# Altium PCB VCTS_mainboard_Photo.PcbDoc (part 1 of 4) (continued)
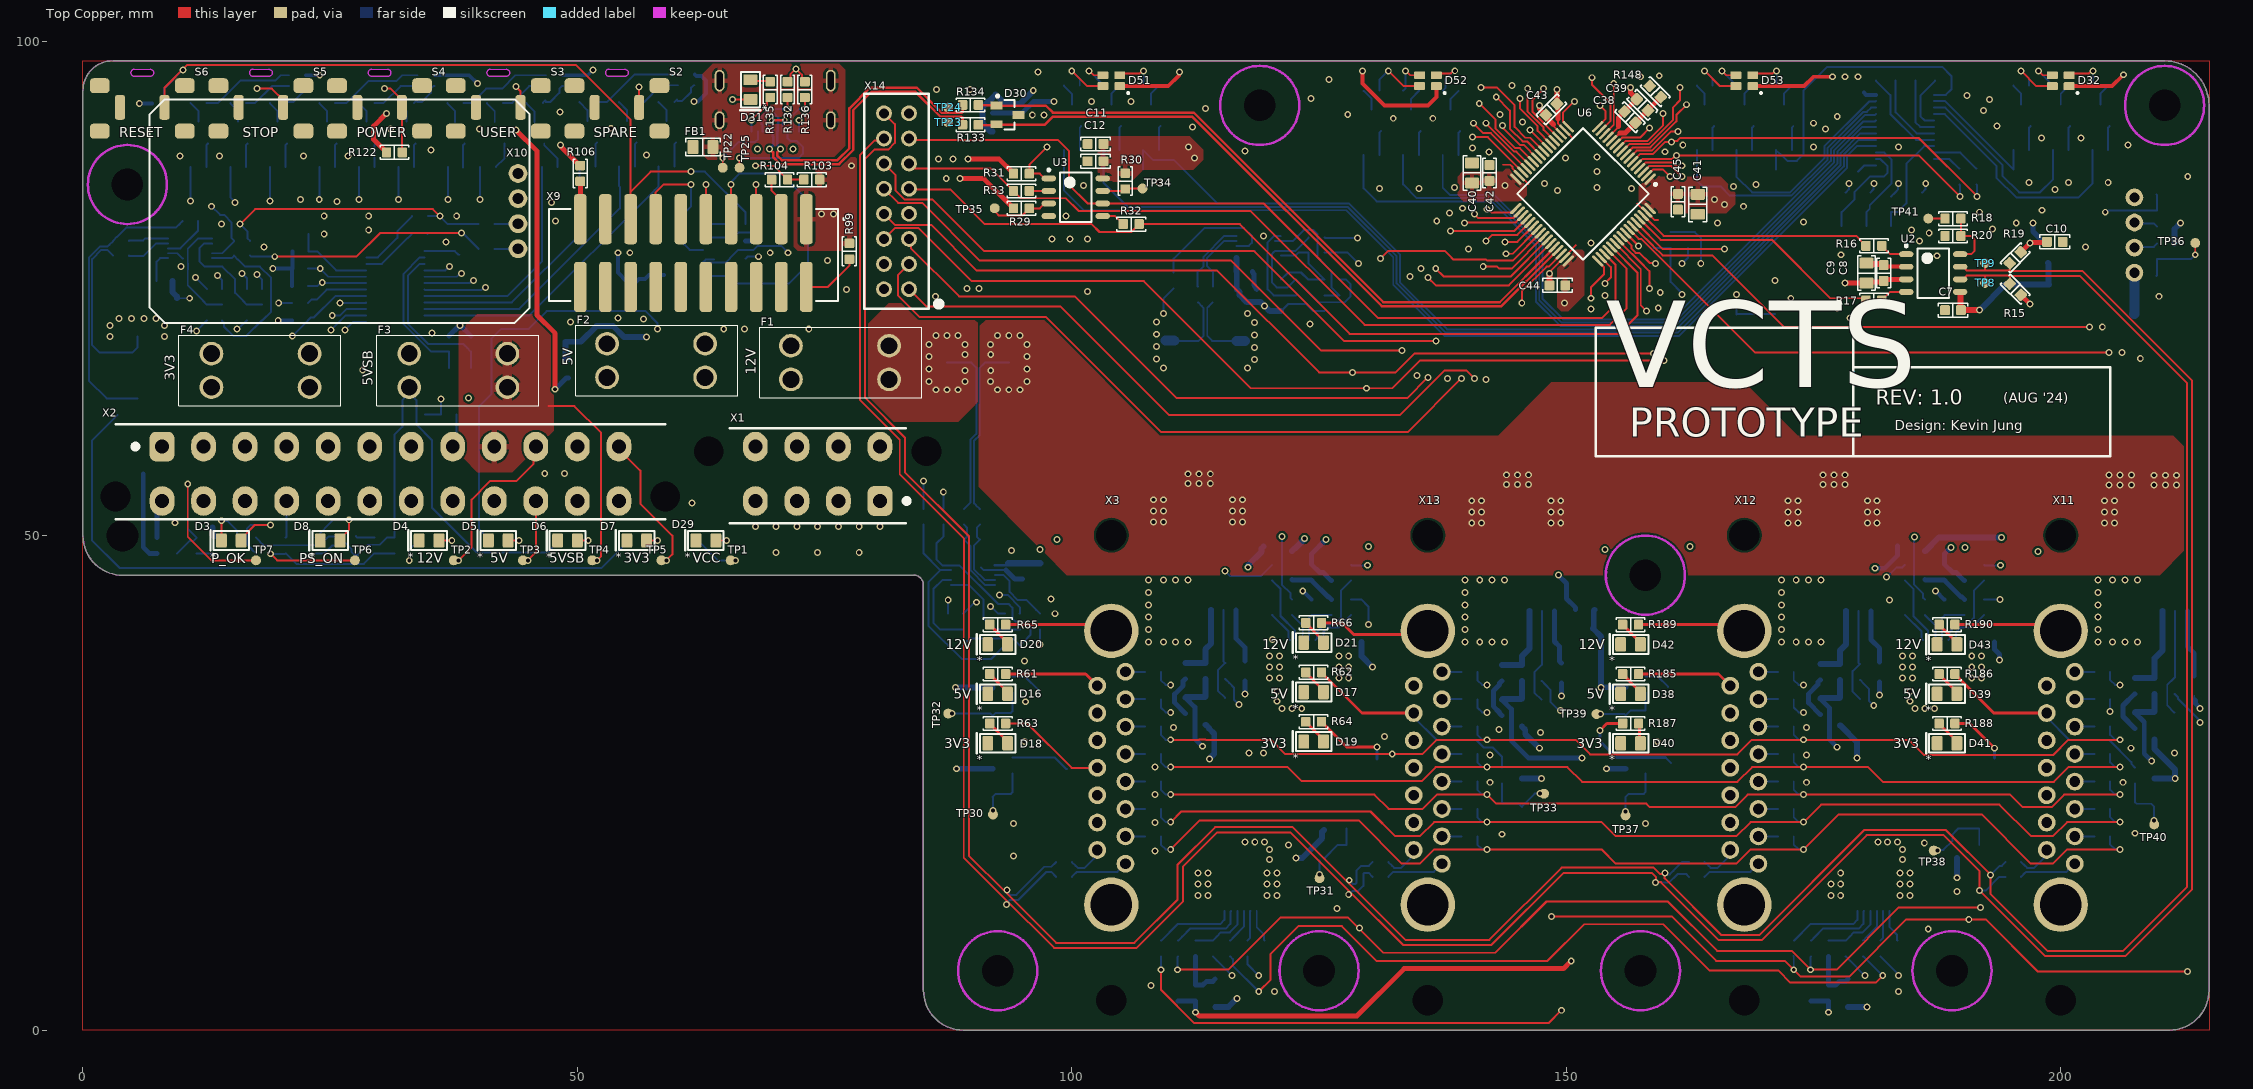
[diagram p0: Top Copper view]
## Components (designator, comment, footprint, x,y, rotation, side; value= is the part's Value field where it differs from the comment) (continued)
R38 "Resistor" 0603_RES 87.5,39.7 r270 bottom value=0 (schematic designator R78)
R39 "Resistor" 0603_RES 89,39.7 r270 bottom value=0 (schematic designator R79)
R40 "Resistor" 0603_RES 96.8,41.3 r270 bottom value=0 (schematic designator R80)
R41 "Resistor" 0603_RES 89.1,51.9 r90 bottom value=10 (schematic designator R81)
R42 "Resistor" 0603_RES 87.5,41.3 r270 bottom value=0 (schematic designator R82)
R43 "Resistor" 2512_RES 90.5,67.5 r180 bottom value=0.001 (schematic designator R83)
R44 "Resistor" 0603_RES 90.7,51.9 r90 bottom value=10 (schematic designator R84)
R45 "Resistor" 0603_RES 94.75,41.3 r90 bottom value=0 (schematic designator R85)
R46 "Resistor" 0603_RES 93.25,39.7 r270 bottom value=0 (schematic designator R86)
R47 "Resistor" 0603_RES 94.75,39.7 r270 bottom value=0 (schematic designator R87)
R48 "Resistor" 0603_RES 93.25,41.3 r270 bottom value=0 (schematic designator R88)
R49 "Resistor" 0603_RES 94,31.45 r270 bottom value=22k (schematic designator R101)
R50 "Resistor" 0603_RES 120.25,42.75 r90 bottom value=47 (schematic designator R102)
R51 "R(IN)" 0603_RES 120.25,46.25 r90 bottom value=4.7k (schematic designator R103)
R52 "Resistor" 0603_RES 94,34.95 r270 bottom value=18k (schematic designator R104)
R53 "Resistor" 0603_RES 122.25,42.75 r90 bottom value=4.7k (schematic designator R105)
R54 "Resistor" 0603_RES 124.25,46.25 r270 bottom value=4.7k (schematic designator R106)
R55 "Resistor" 0603_RES 126.25,42.75 r270 bottom value=4.7k (schematic designator R107)
R56 "Resistor" 0603_RES 128.25,46.25 r270 bottom value=4.7k (schematic designator R108)
R57 "Resistor" 0603_RES 124.25,42.75 r270 bottom value=3.79k (schematic designator R109)
R58 "Resistor" 0603_RES 128.25,42.75 r90 bottom value=4.7k (schematic designator R110)
R59 "Resistor" 0603_RES 143.5,25.75 r270 bottom value=18k (schematic designator R111)
R60 "Resistor" 0603_RES 143.5,22.25 r270 bottom value=22k (schematic designator R112)
R61 "Resistor" 0603_RES 92.5,36 r0 top value=560 (schematic designator R113)
R62 "Resistor" 0603_RES 124.45,36.175 r0 top value=560 (schematic designator R114)
R63 "Resistor" 0603_RES 92.5,31 r0 top value=220 (schematic designator R115)
R64 "Resistor" 0603_RES 124.45,31.175 r0 top value=220 (schematic designator R116)
R65 "Resistor" 0603_RES 92.5,41 r0 top value=2.2k (schematic designator R117)
R66 "Resistor" 0603_RES 124.45,41.175 r0 top value=2.2k (schematic designator R118)
R67 "Resistor" 0603_RES 94,23.25 r270 bottom value=22k (schematic designator R119)
R68 "Resistor" 0603_RES 119.5,8.25 r270 bottom value=47 (schematic designator R120)
R69 "R(IN)" 0603_RES 117.75,8.25 r270 bottom value=4.7k (schematic designator R121)
R70 "Resistor" 0603_RES 94,26.75 r270 bottom value=4.7k (schematic designator R122)
R71 "Resistor" 0603_RES 116,8.25 r270 bottom value=4.7k (schematic designator R123)
R72 "Resistor" 0603_RES 112.5,3.75 r90 bottom value=4.7k (schematic designator R124)
R73 "Resistor" 0603_RES 112.5,8.25 r90 bottom value=4.7k (schematic designator R125)
R74 "Resistor" 0603_RES 110.75,8.25 r90 bottom value=4.7k (schematic designator R126)
R75 "Resistor" 0603_RES 114.25,8.25 r90 bottom value=3.79k (schematic designator R127)
R76 "Resistor" 0603_RES 109,8.25 r270 bottom value=4.7k (schematic designator R128)
R77 "Resistor" 0603_RES 127.758,21.2 r270 bottom value=4.7k (schematic designator R129)
R78 "Resistor" 0603_RES 127.758,17.9 r270 bottom value=22k (schematic designator R130)
R79 "Resistor" 0603_RES 115.5,36.3 r90 bottom value=4.7k (schematic designator R131)
R80 "Resistor" 0603_RES 147.5,36.1 r90 bottom value=4.7k (schematic designator R132)
R81 "Resistor" 0603_RES 113.5,36.3 r90 bottom value=4.7k (schematic designator R133)
R82 "Resistor" 0603_RES 145.5,36.1 r90 bottom value=4.7k (schematic designator R134)
R83 "Resistor" 0603_RES 111.5,36.3 r90 bottom value=3.9k (schematic designator R135)
R84 "Resistor" 0603_RES 143.5,36.1 r90 bottom value=3.9k (schematic designator R136)
R85 "Resistor" 0805_RES 117.5,36.3 r90 bottom value=4 (schematic designator R137)
R86 "Resistor" 0805_RES 149.5,36.1 r90 bottom value=4 (schematic designator R138)
R87 "Resistor" 0603_RES 125.55,73.5 r270 bottom value=0 (schematic designator R89)
R88 "Resistor" 0603_RES 127.05,75.1 r90 bottom value=0 (schematic designator R90)
R89 "Resistor" 0603_RES 125.55,75.1 r90 bottom value=0 (schematic designator R91)
R90 "Resistor" 0603_RES 110.3,75.8 r270 bottom value=0 (schematic designator R92)
R91 "Resistor" 0603_RES 112.75,74.381 r270 bottom value=10 (schematic designator R93)
R92 "Resistor" 0603_RES 127.05,73.5 r90 bottom value=0 (schematic designator R94)
R93 "Resistor" 2512_RES 113.5,69.7 r180 bottom value=0.01 (schematic designator R95)
R94 "Resistor" 0603_RES 114.25,74.381 r270 bottom value=10 (schematic designator R96)
R95 "Resistor" 0603_RES 121.15,73.5 r270 bottom value=0 (schematic designator R97)
R96 "Resistor" 0603_RES 122.65,75.1 r90 bottom value=0 (schematic designator R98)
R97 "Resistor" 0603_RES 121.15,75.1 r90 bottom value=0 (schematic designator R99)
R98 "Resistor" 0603_RES 122.65,73.5 r90 bottom value=0 (schematic designator R100)
R99 "Resistor" 0603_RES 77.5,78.75 r270 top value=0 (schematic designator R15)
R100 "Resistor" 0603_RES 158.8,79.9 r90 bottom value=100k (schematic designator R16)
R101 "Resistor" 0603_RES 66.214,76.243 r0 bottom value=100k (schematic designator R17)
R102 "Resistor" 0603_RES 66.214,79.779 r0 bottom value=100k (schematic designator R18)
R103 "Resistor" 0603_RES 73.7,86 r0 top value=100k (schematic designator R19)
R104 "Resistor" 0603_RES 70.45,86 r180 top value=0 (schematic designator R20)
R105 "Resistor" 0603_RES 66.214,78.011 r180 bottom value=100k (schematic designator R21)
R106 "Resistor" 0603_RES 50.282,86.618 r270 top value=0 (schematic designator R22)
R107 "Resistor" 0603_RES 171.1,73.2 r270 bottom value=10k (schematic designator R23)
R108 "Resistor" 0603_RES 160.542,79.891 r90 bottom value=0 (schematic designator R24)
R109 "Resistor" 0603_RES 63,49.5 r180 bottom value=330 (schematic designator R27)
R110 "Resistor" 0603_RES 191.5,86.3 r90 bottom value=0 (schematic designator R28)
R111 "Resistor" 0603_RES 34.05,80.5 r180 bottom value=0 (schematic designator R29)
R112 "Resistor" 0603_RES 189.75,86.3 r90 bottom value=0 (schematic designator R30)
R113 "Resistor" 0603_RES 34.1,82.3 r180 bottom value=0 (schematic designator R31)
R114 "Resistor" 0603_RES 180.35,83.5 r90 bottom (schematic designator R32)
R115 "Resistor" 0603_RES 177.85,83.5 r90 bottom (schematic designator R33)
R116 "Resistor" 0603_RES 182.85,83.5 r90 bottom value=0 (schematic designator R34)
R117 "Resistor" 0603_RES 39.25,69.4 r90 bottom (schematic designator R35)
R118 "Resistor" 0603_RES 37,69.4 r90 bottom (schematic designator R36)
R119 "Resistor" 0603_RES 22,78.75 r180 bottom (schematic designator R37)
R120 "Resistor" 0603_RES 21.95,71.75 r180 bottom value=10k (schematic designator R38)
R121 "Resistor" 0603_RES 21.95,73.5 r0 bottom value=0 (schematic designator R39)
R122 "Resistor" 0603_RES 31.5,88.75 r180 top value=10k (schematic designator R40)
R123 "Resistor" 0603_RES 21.95,75.25 r180 bottom value=10k (schematic designator R41)
R124 "Resistor" 0603_RES 7.8,93.7 r180 bottom value=10k (schematic designator R42)
R125 "Resistor" 0603_RES 180.35,80.5 r90 bottom value=0 (schematic designator R43)
R126 "Resistor" 0603_RES 177.85,80.5 r90 bottom value=0 (schematic designator R44)
R127 "Resistor" 0603_RES 182.85,80.5 r90 bottom (schematic designator R45)
R128 "Resistor" 0603_RES 21.95,77 r180 bottom value=10k (schematic designator R46)
R129 "Resistor" 0603_RES 39.25,66.15 r90 bottom value=0 (schematic designator R47)
R130 "Resistor" 0603_RES 37,66.15 r90 bottom value=0 (schematic designator R48)
R131 "Resistor" 0603_RES 22,80.5 r0 bottom value=0 (schematic designator R49)
R132 "Resistor" 0603_RES 71.25,95.1 r270 top value=5.1k (schematic designator R50)
R133 "Resistor" 0603_RES 89.75,91.55 r180 top value=100 (schematic designator R51)
R134 "Resistor" 0603_RES 89.75,93.55 r180 top value=100 (schematic designator R52)
R135 "Resistor" 0603_RES 69.5,95.1 r270 top value=560 (schematic designator R53)
R136 "Resistor" 0603_RES 73,95.1 r90 top value=5.1k (schematic designator R54)
R137 "Resistor" 0603_RES 204,95.5 r0 bottom locked value=310 (schematic designator R139)
R138 "Resistor" 0603_RES 200,95.5 r0 bottom locked value=430 (schematic designator R140)
R139 "Resistor" 0603_RES 196,95.5 r180 bottom locked value=430 (schematic designator R141)
R140 "Resistor" 0603_RES 196,89 r0 bottom locked value=100 (schematic designator R142)
R141 "Resistor" 0603_RES 196,87 r180 bottom locked value=10k (schematic designator R143)
R142 "Resistor" 0603_RES 200,89 r0 bottom locked value=100 (schematic designator R144)
R143 "Resistor" 0603_RES 200,87 r180 bottom locked value=10k (schematic designator R145)
R144 "Resistor" 0603_RES 204,89 r0 bottom locked value=100 (schematic designator R146)
R145 "Resistor" 0603_RES 204,87 r180 bottom locked value=10k (schematic designator R147)
R146 "Resistor" 0603_RES 40.8,79 r0 bottom value=0 (schematic designator R25)
R147 "Resistor" 0603_RES 40.8,81.5 r0 bottom value=0 (schematic designator R26)
R148 "Resistor" 0603_RES 159,94.9 r315 top value=0 (schematic designator R1)
R149 "Resistor" 0603_RES 204.2,36.223 r180 bottom value=100 (schematic designator R64)
R150 "Resistor" 0603_RES 204.2,33.45 r0 bottom value=100 (schematic designator R65)
R151 "Resistor" 0603_RES 204.2,30.678 r180 bottom value=100 (schematic designator R66)
R152 "Resistor" 0603_RES 204.2,27.905 r180 bottom value=100 (schematic designator R67)
R153 "Resistor" 0603_RES 204.2,22.359 r180 bottom value=100 (schematic designator R68)
R154 "Resistor" 0603_RES 204.2,19.587 r180 bottom value=100 (schematic designator R69)
R155 "Resistor" 0603_RES 195.2,17 r0 bottom value=0 (schematic designator R70)
R156 "Resistor" 0603_RES 195.2,15.5 r0 bottom value=0 (schematic designator R71)
R157 "Resistor" 0603_RES 172.2,36.223 r180 bottom value=100 (schematic designator R64)
R158 "Resistor" 0603_RES 172.2,33.45 r0 bottom value=100 (schematic designator R65)
R159 "Resistor" 0603_RES 172.2,30.678 r180 bottom value=100 (schematic designator R66)
R160 "Resistor" 0603_RES 172.2,27.905 r180 bottom value=100 (schematic designator R67)
R161 "Resistor" 0603_RES 172.2,22.359 r180 bottom value=100 (schematic designator R68)
R162 "Resistor" 0603_RES 172.2,19.587 r180 bottom value=100 (schematic designator R69)
R163 "Resistor" 0603_RES 163.2,17 r0 bottom value=0 (schematic designator R70)
R164 "Resistor" 0603_RES 163.2,15.5 r0 bottom value=0 (schematic designator R71)
R165 "Resistor" 0603_RES 140.2,36.223 r180 bottom value=100 (schematic designator R64)
R166 "Resistor" 0603_RES 140.2,33.45 r0 bottom value=100 (schematic designator R65)
R167 "Resistor" 0603_RES 140.2,30.678 r180 bottom value=100 (schematic designator R66)
R168 "Resistor" 0603_RES 140.2,27.905 r180 bottom value=100 (schematic designator R67)
R169 "Resistor" 0603_RES 140.2,22.359 r180 bottom value=100 (schematic designator R68)
R170 "Resistor" 0603_RES 140.2,19.587 r180 bottom value=100 (schematic designator R69)
R171 "Resistor" 0603_RES 131.2,17 r0 bottom value=0 (schematic designator R70)
R172 "Resistor" 0603_RES 131.2,15.5 r0 bottom value=0 (schematic designator R71)
R173 "Resistor" 0603_RES 158.002,31.493 r270 bottom value=22k (schematic designator R101)
R174 "Resistor" 0603_RES 184.25,42.75 r90 bottom value=47 (schematic designator R102)
R175 "R(IN)" 0603_RES 184.25,46.25 r90 bottom value=4.7k (schematic designator R103)
R176 "Resistor" 0603_RES 158,34.95 r270 bottom value=18k (schematic designator R104)
R177 "Resistor" 0603_RES 186.25,42.75 r90 bottom value=4.7k (schematic designator R105)
R178 "Resistor" 0603_RES 188.25,46.25 r270 bottom value=4.7k (schematic designator R106)
R179 "Resistor" 0603_RES 190.25,42.75 r270 bottom value=4.7k (schematic designator R107)
R180 "Resistor" 0603_RES 192.25,46.25 r270 bottom value=4.7k (schematic designator R108)
R181 "Resistor" 0603_RES 188.25,42.75 r270 bottom value=3.79k (schematic designator R109)
R182 "Resistor" 0603_RES 192.25,42.75 r90 bottom value=4.7k (schematic designator R110)
R183 "Resistor" 0603_RES 207.5,25.75 r270 bottom value=18k (schematic designator R111)
R184 "Resistor" 0603_RES 207.5,22.25 r270 bottom value=22k (schematic designator R112)
R185 "Resistor" 0603_RES 156.5,36 r0 top value=560 (schematic designator R113)
R186 "Resistor" 0603_RES 188.5,36 r0 top value=560 (schematic designator R114)
R187 "Resistor" 0603_RES 156.5,31 r180 top value=220 (schematic designator R115)
R188 "Resistor" 0603_RES 188.5,31 r0 top value=220 (schematic designator R116)
R189 "Resistor" 0603_RES 156.5,41 r0 top value=2.2k (schematic designator R117)
R190 "Resistor" 0603_RES 188.5,41 r0 top value=2.2k (schematic designator R118)
R191 "Resistor" 0603_RES 158,23.25 r270 bottom value=22k (schematic designator R119)
R192 "Resistor" 0603_RES 183.5,8.25 r270 bottom value=47 (schematic designator R120)
R193 "R(IN)" 0603_RES 181.75,8.25 r270 bottom value=4.7k (schematic designator R121)
R194 "Resistor" 0603_RES 158,26.75 r270 bottom value=4.7k (schematic designator R122)
R195 "Resistor" 0603_RES 180,8.25 r270 bottom value=4.7k (schematic designator R123)
R196 "Resistor" 0603_RES 176.5,3.75 r90 bottom value=4.7k (schematic designator R124)
R197 "Resistor" 0603_RES 176.5,8.25 r90 bottom value=4.7k (schematic designator R125)
R198 "Resistor" 0603_RES 174.75,8.25 r90 bottom value=4.7k (schematic designator R126)
R199 "Resistor" 0603_RES 178.25,8.25 r90 bottom value=3.79k (schematic designator R127)
R200 "Resistor" 0603_RES 173,8.25 r270 bottom value=4.7k (schematic designator R128)
R201 "Resistor" 0603_RES 191.758,21.2 r270 bottom value=4.7k (schematic designator R129)
R202 "Resistor" 0603_RES 191.758,17.9 r270 bottom value=22k (schematic designator R130)
R203 "Resistor" 0603_RES 179.69,36.2 r90 bottom value=4.7k (schematic designator R131)
R204 "Resistor" 0603_RES 211.5,34.8 r90 bottom value=4.7k (schematic designator R132)
R205 "Resistor" 0603_RES 177.69,36.2 r90 bottom value=4.7k (schematic designator R133)
R206 "Resistor" 0603_RES 209.5,34.8 r90 bottom value=4.7k (schematic designator R134)
R207 "Resistor" 0603_RES 175.69,36.2 r90 bottom value=3.9k (schematic designator R135)
R208 "Resistor" 0603_RES 207.5,34.8 r90 bottom value=3.9k (schematic designator R136)
R209 "Resistor" 0805_RES 181.69,36.2 r90 bottom value=4 (schematic designator R137)
R210 "Resistor" 0805_RES 213.5,34.8 r90 bottom value=4 (schematic designator R138)
R211 "Resistor" 0603_RES 18.1,74.15 r90 bottom value=0 (schematic designator R89)
R212 "Resistor" 0603_RES 16.6,72.55 r270 bottom value=0 (schematic designator R90)
R213 "Resistor" 0603_RES 18.1,72.55 r270 bottom value=0 (schematic designator R91)
R214 "Resistor" 0603_RES 10.85,81.8 r180 bottom value=0 (schematic designator R92)
R215 "Resistor" 0603_RES 3.85,79.8 r180 bottom value=10 (schematic designator R93)
R216 "Resistor" 0603_RES 16.6,74.15 r270 bottom value=0 (schematic designator R94)
R217 "Resistor" 2512_RES 5.5,67 r270 bottom value=0.01 (schematic designator R95)
R218 "Resistor" 0603_RES 3.85,78.3 r180 bottom value=10 (schematic designator R96)
R219 "Resistor" 0603_RES 14.05,74.15 r90 bottom value=0 (schematic designator R97)
R220 "Resistor" 0603_RES 12.55,72.55 r270 bottom value=0 (schematic designator R98)
R221 "Resistor" 0603_RES 14.05,72.55 r270 bottom value=0 (schematic designator R99)
R222 "Resistor" 0603_RES 12.55,74.15 r270 bottom value=0 (schematic designator R100)
R223 "Resistor" 0603_RES 108.001,95.5 r0 bottom locked value=310 (schematic designator R139)
R224 "Resistor" 0603_RES 104.001,95.5 r0 bottom locked value=430 (schematic designator R140)
R225 "Resistor" 0603_RES 100.001,95.5 r180 bottom locked value=430 (schematic designator R141)
R226 "Resistor" 0603_RES 100.001,89 r0 bottom locked value=100 (schematic designator R142)
R227 "Resistor" 0603_RES 100.001,87 r180 bottom locked value=10k (schematic designator R143)
R228 "Resistor" 0603_RES 104.001,89 r0 bottom locked value=100 (schematic designator R144)
R229 "Resistor" 0603_RES 104.001,87 r180 bottom locked value=10k (schematic designator R145)
R230 "Resistor" 0603_RES 108.001,89 r0 bottom locked value=100 (schematic designator R146)
R231 "Resistor" 0603_RES 108.001,87 r180 bottom locked value=10k (schematic designator R147)
R232 "Resistor" 0603_RES 138.307,95 r0 bottom locked value=310 (schematic designator R139)
R233 "Resistor" 0603_RES 134.307,95 r0 bottom locked value=430 (schematic designator R140)
R234 "Resistor" 0603_RES 130.307,95 r180 bottom locked value=430 (schematic designator R141)
R235 "Resistor" 0603_RES 130.307,88.5 r0 bottom locked value=100 (schematic designator R142)
R236 "Resistor" 0603_RES 130.307,86.5 r180 bottom locked value=10k (schematic designator R143)
R237 "Resistor" 0603_RES 134.307,88.5 r0 bottom locked value=100 (schematic designator R144)
R238 "Resistor" 0603_RES 134.307,86.5 r180 bottom locked value=10k (schematic designator R145)
R239 "Resistor" 0603_RES 138.307,88.5 r0 bottom locked value=100 (schematic designator R146)
R240 "Resistor" 0603_RES 138.307,86.5 r180 bottom locked value=10k (schematic designator R147)
R241 "Resistor" 0603_RES 172,95.5 r0 bottom locked value=310 (schematic designator R139)
R242 "Resistor" 0603_RES 168,95.5 r0 bottom locked value=430 (schematic designator R140)
R243 "Resistor" 0603_RES 164,95.5 r180 bottom locked value=430 (schematic designator R141)
R244 "Resistor" 0603_RES 164,89 r0 bottom locked value=100 (schematic designator R142)
R245 "Resistor" 0603_RES 164,87 r180 bottom locked value=10k (schematic designator R143)
R246 "Resistor" 0603_RES 168,89 r0 bottom locked value=100 (schematic designator R144)
R247 "Resistor" 0603_RES 168,87 r180 bottom locked value=10k (schematic designator R145)
R248 "Resistor" 0603_RES 172,89 r0 bottom locked value=100 (schematic designator R146)
R249 "Resistor" 0603_RES 172,87 r180 bottom locked value=10k (schematic designator R147)
R250 "Resistor" 0603_RES 32.7,93.75 r180 bottom value=310 (schematic designator R139)
R251 "Resistor" 0603_RES 28.7,93.75 r180 bottom value=430 (schematic designator R140)
R252 "Resistor" 0603_RES 24.7,93.75 r180 bottom value=430 (schematic designator R141)
R253 "Resistor" 0603_RES 24.7,87.25 r0 bottom value=100 (schematic designator R142)
R254 "Resistor" 0603_RES 24.7,85.25 r180 bottom value=10k (schematic designator R143)
R255 "Resistor" 0603_RES 28.7,87.25 r0 bottom value=100 (schematic designator R144)
R256 "Resistor" 0603_RES 28.7,85.25 r180 bottom value=10k (schematic designator R145)
R257 "Resistor" 0603_RES 32.7,87.25 r0 bottom value=100 (schematic designator R146)
R258 "Resistor" 0603_RES 32.7,85.25 r180 bottom value=10k (schematic designator R147)
R259 "Resistor" 0603_RES 59.019,93.839 r180 bottom value=310 (schematic designator R139)
R260 "Resistor" 0603_RES 55.019,93.839 r180 bottom value=430 (schematic designator R140)
R261 "Resistor" 0603_RES 51.019,93.839 r180 bottom value=430 (schematic designator R141)
R262 "Resistor" 0603_RES 51.019,87.339 r0 bottom value=100 (schematic designator R142)
R263 "Resistor" 0603_RES 51.019,85.339 r180 bottom value=10k (schematic designator R143)
R264 "Resistor" 0603_RES 55.019,87.339 r0 bottom value=100 (schematic designator R144)
R265 "Resistor" 0603_RES 55.019,85.339 r180 bottom value=10k (schematic designator R145)
R266 "Resistor" 0603_RES 59.019,87.339 r0 bottom value=100 (schematic designator R146)
R267 "Resistor" 0603_RES 59.019,85.339 r180 bottom value=10k (schematic designator R147)
R268 "Resistor" 0603_RES 45.7,93.75 r180 bottom value=310 (schematic designator R139)
R269 "Resistor" 0603_RES 41.7,93.75 r180 bottom value=430 (schematic designator R140)
R270 "Resistor" 0603_RES 37.7,93.75 r180 bottom value=430 (schematic designator R141)
R271 "Resistor" 0603_RES 37.7,87.25 r0 bottom value=100 (schematic designator R142)
R272 "Resistor" 0603_RES 37.7,85.25 r180 bottom value=10k (schematic designator R143)
R273 "Resistor" 0603_RES 40.95,87.25 r0 bottom value=100 (schematic designator R144)
R274 "Resistor" 0603_RES 40.95,85.25 r180 bottom value=10k (schematic designator R145)
R275 "Resistor" 0603_RES 47.2,87.25 r0 bottom value=100 (schematic designator R146)
R276 "Resistor" 0603_RES 47.2,85.25 r180 bottom value=10k (schematic designator R147)
R277 "Resistor" 0603_RES 19.7,93.75 r180 bottom value=310 (schematic designator R139)
R278 "Resistor" 0603_RES 15.7,93.75 r180 bottom value=430 (schematic designator R140)
R279 "Resistor" 0603_RES 11.7,93.75 r180 bottom value=430 (schematic designator R141)
R280 "Resistor" 0603_RES 11.7,87.25 r0 bottom value=100 (schematic designator R142)
R281 "Resistor" 0603_RES 11.7,85.25 r180 bottom value=10k (schematic designator R143)
R282 "Resistor" 0603_RES 15.7,87.25 r0 bottom value=100 (schematic designator R144)
R283 "Resistor" 0603_RES 15.7,85.25 r180 bottom value=10k (schematic designator R145)
R284 "Resistor" 0603_RES 19.7,87.25 r0 bottom value=100 (schematic designator R146)
R285 "Resistor" 0603_RES 19.7,85.25 r180 bottom value=10k (schematic designator R147)
R286 "Resistor" 0603_RES 85,51.9 r270 bottom value=0 (schematic designator R149)
R287 "Resistor" 0603_RES 87,51.9 r270 bottom value=0 (schematic designator R150)
R288 "Resistor" 0603_RES 124.75,80.15 r180 bottom value=0 (schematic designator R151)
R289 "Resistor" 0603_RES 124.75,78.65 r180 bottom value=0 (schematic designator R152)
R290 "Resistor" 0603_RES 16.1,79.8 r180 bottom value=0 (schematic designator R151)
R291 "Resistor" 0603_RES 16.1,78.3 r180 bottom value=0 (schematic designator R152)
R292 "Resistor" 0603_RES 108.2,25.132 r180 bottom value=100 (schematic designator R153)
R293 "Resistor" 0603_RES 204.2,25.132 r180 bottom value=100 (schematic designator R153)
R294 "Resistor" 0603_RES 172.2,25.132 r180 bottom value=100 (schematic designator R153)
R295 "Resistor" 0603_RES 140.2,25.132 r180 bottom value=100 (schematic designator R153)
R296 "Resistor" 0603_RES 66.2,81.5 r0 bottom value=0 (schematic designator R154)
S1 "DS04-254-2-01BK-SMT-TR" DS04254201BKSMTTR 167.2,76.8 r0 bottom
S2 "PTS645V" PTS645V 54,97 r180 top
S3 "PTS645V" PTS645V 42,97 r180 top
S4 "PTS645V" PTS645V 30,97 r180 top
S5 "PTS645V" PTS645V 18,97 r180 top
S6 "PTS645V" PTS645V 6,97 r180 top
TP1 "1mm Testpoint" 1mm_testpoint 65.5,47.5 r270 top (schematic designator TP37)
TP2 "1mm Testpoint" 1mm_testpoint 37.5,47.5 r90 top (schematic designator TP9)
TP3 "1mm Testpoint" 1mm_testpoint 44.5,47.5 r90 top (schematic designator TP10)
TP4 "1mm Testpoint" 1mm_testpoint 51.5,47.5 r90 top (schematic designator TP11)
TP5 "1mm Testpoint" 1mm_testpoint 58.5,47.5 r90 top (schematic designator TP12)
TP6 "1mm Testpoint" 1mm_testpoint 27.5,47.5 r90 top (schematic designator TP13)
TP7 "1mm Testpoint" 1mm_testpoint 17.5,47.5 r90 top (schematic designator TP14)
TP8 "1mm Testpoint" 1mm_testpoint 192.35,75.55 r90 top (schematic designator TP29)
TP9 "1mm Testpoint" 1mm_testpoint 192.35,77.55 r90 top (schematic designator TP30)
TP16 "1mm Testpoint" 1mm_testpoint 179.5,86.8 r0 bottom (schematic designator TP19)
TP17 "1mm Testpoint" 1mm_testpoint 38.1,78.4 r0 bottom (schematic designator TP20)
TP18 "1mm Testpoint" 1mm_testpoint 187.3,96 r0 bottom locked (schematic designator TP21)
TP19 "1mm Testpoint" 1mm_testpoint 185.3,96 r0 bottom locked (schematic designator TP22)
TP20 "1mm Testpoint" 1mm_testpoint 183.3,96 r0 bottom locked (schematic designator TP23)
TP21 "1mm Testpoint" 1mm_testpoint 181.3,96 r0 bottom locked (schematic designator TP24)
TP22 "1mm Testpoint" 1mm_testpoint 64.7,87.2 r90 top (schematic designator TP25)
TP23 "1mm Testpoint" 1mm_testpoint 87.5,91.8 r270 top (schematic designator TP26)
TP24 "1mm Testpoint" 1mm_testpoint 87.5,93.3 r270 top (schematic designator TP27)
TP25 "1mm Testpoint" 1mm_testpoint 66.4,87.2 r90 top (schematic designator TP28)
TP30 "1mm Testpoint" 1mm_testpoint 92.025,21.796 r90 top (schematic designator TP1)
TP31 "1mm Testpoint" 1mm_testpoint 125.05,15.35 r90 top (schematic designator TP2)